# Altium PCB Fri3d_2020_Time_Blaster_01.PcbDoc (part 1 of 2)
Units mm, origin at the board's own origin, x right, y up, seen from the top; angles counter-clockwise.
Board outline 161.79 x 127.06 mm, 2 copper layers (Top Layer, Bottom Layer), stack 1.571 mm thick; 73 components, 58 nets, 276 pads, 26 vias.
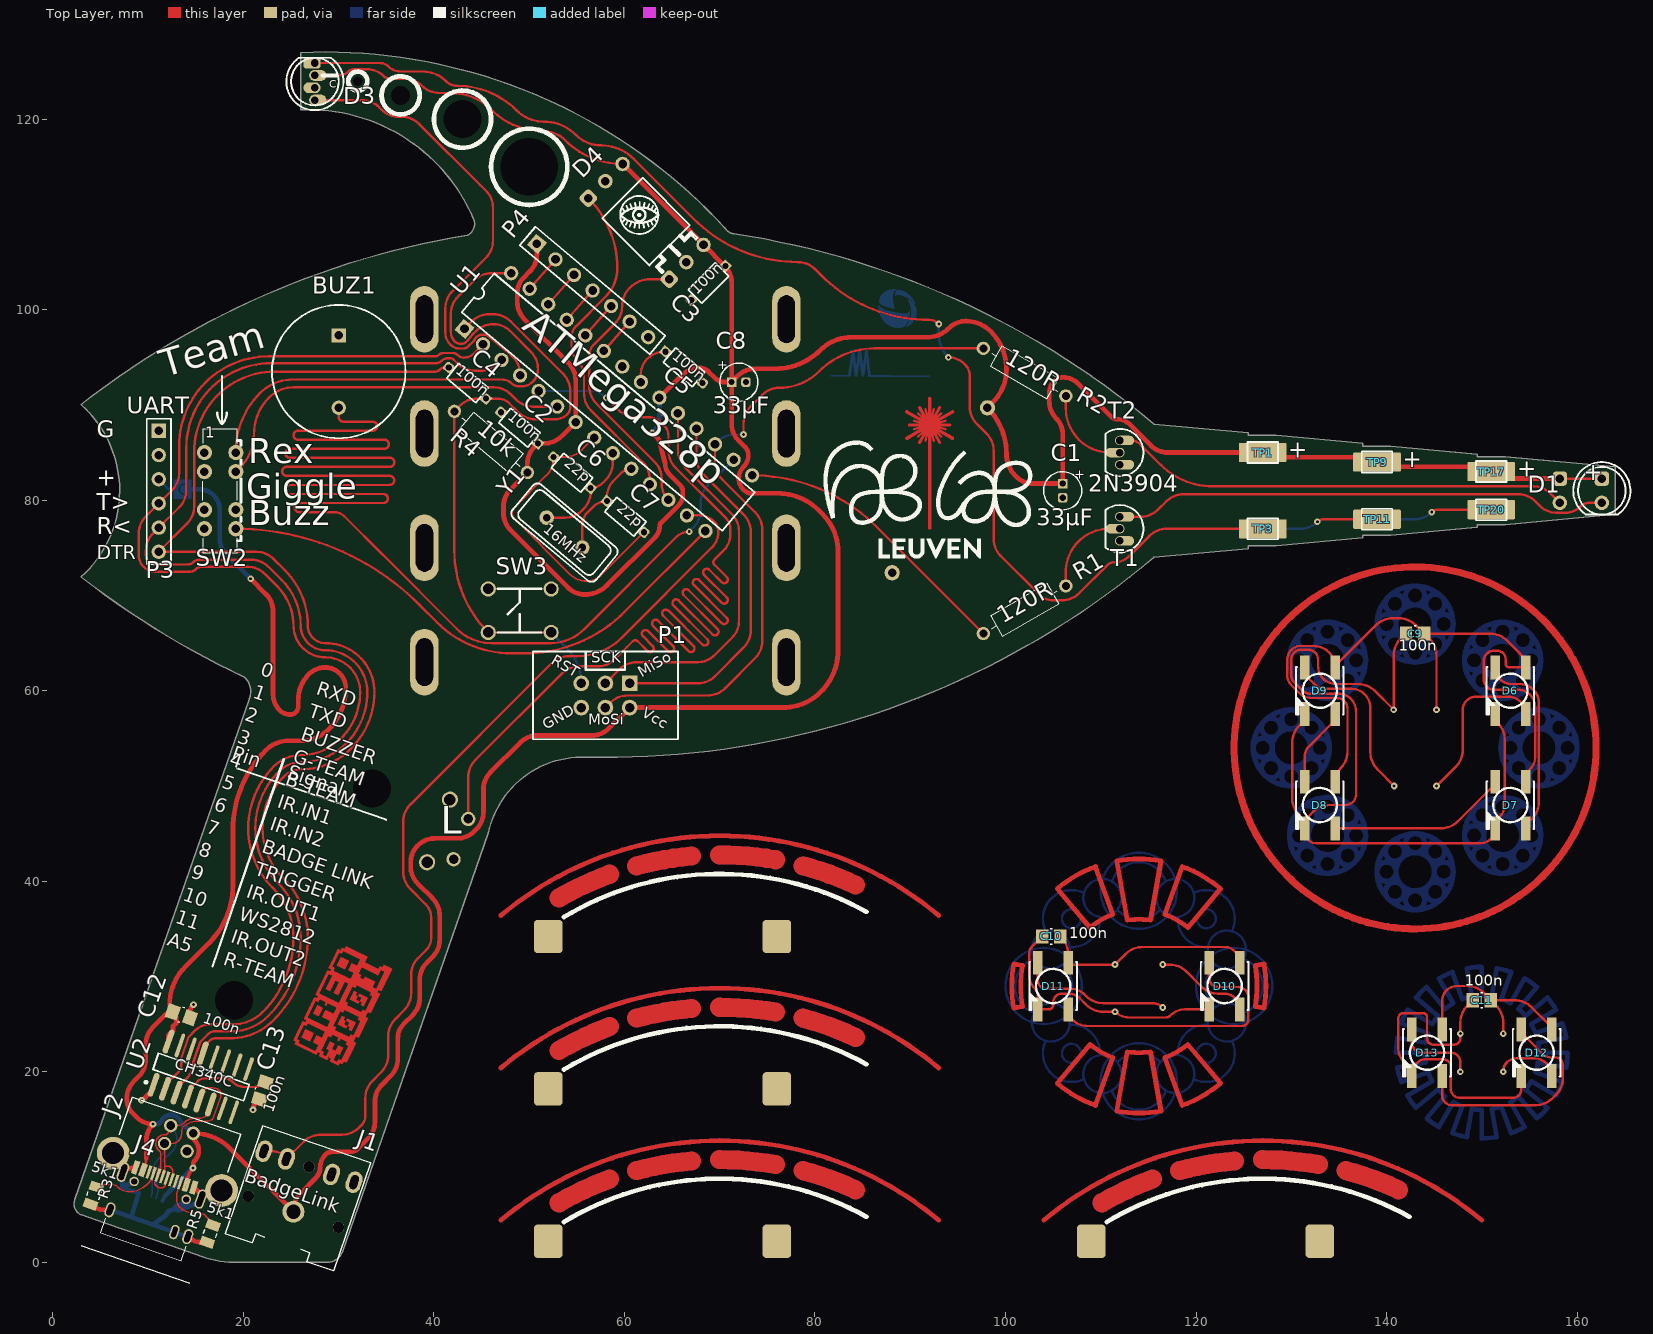
[diagram p0: Top Layer view]
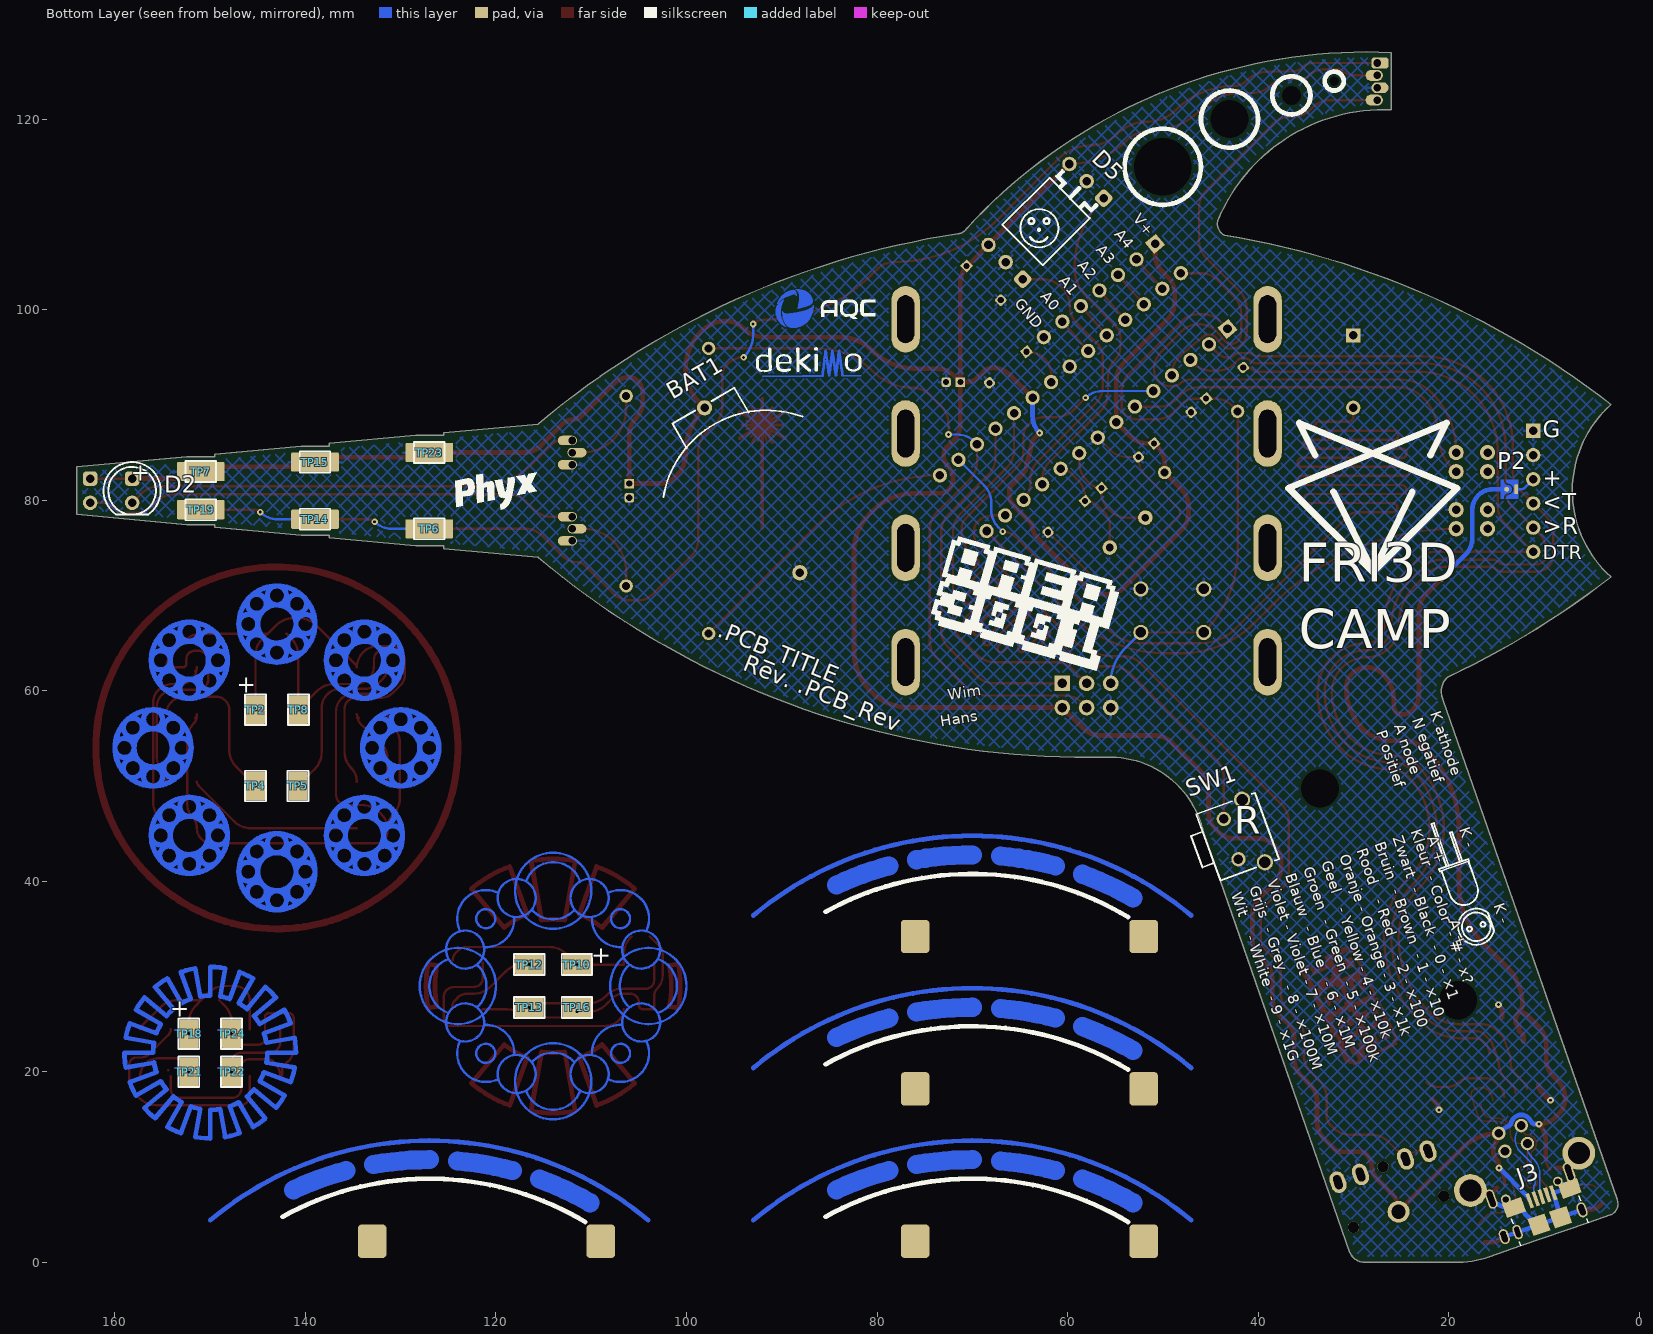
[diagram p1: Bottom Layer view, seen from below]

## Layer stack, top to bottom
Top Solder: solder mask 0.0102, Solder Resist, Dk 3.5
Top Layer: signal copper 0.0356
Dielectric1: core 1.5, FR-4, Dk 4.8
Bottom Layer: signal copper 0.0356
Bottom Solder: solder mask 0.0102, Solder Resist, Dk 3.5

## Board outline
12.432,1.718 15.698,0.594 ccw(c19.025,9.502) 19.4,0 29,0 ccw(c28.756,1.739) 30.348,1 45.7,45.052 cw(c55.575,42.931) 56.001,53.022 ccw(c58,142.446) 115.534,73.959 115.574,74.007 125.5,74.928 125.5,75.2 128.433,75.2 137.5,76.041 137.5,76.313 140.433,76.313 149.5,77.155 149.5,77.427 152.433,77.427 164,78.5 164,83.5 152.433,84.573 149.5,84.573 149.5,84.845 140.433,85.687 137.5,85.687 137.5,85.959 128.433,86.8 125.5,86.8 125.5,87.072 115.574,87.993 115.534,88.041 ccw(c58,19.554) 71.496,107.976 cw(c71.618,109.205) 70.566,108.558 ccw(c28.469,69.899) 26,127 26,121 cw(c26.772,102.118) 44.142,109.561 cw(c42.957,109.004) 43.513,107.819 ccw(c58,19.554) 2.955,90.057 3,90 cw(c-5.125,81) 2.947,71.952 2.955,71.943 ccw(c58,142.446) 20.122,61.416 cw(c18.659,59.911) 20.6,59.113 2.3,6.6 ccw(c3.46,6.13) 2.99,4.97 5.364,4.152

## Design rules (kind name [scope] priority, off if disabled: settings)
BoardOutlineClearance [NOT OnLayer('Top Overlay') AND NOT OnLayer('Bottom Overlay') AND NOT IsText AND NOT WithinRoom('Fri3d_2020_Time_Blaster_01')] p1: gap=0.5 ignorepadtopadclearanceinfootprint=FALSE except(0: Arc-SplitContinuation Track-SplitContinuation SMDPad-SplitContinuation THPad-SplitContinuation Via-SplitContinuation Fill-SplitContinuation Poly-SplitContinuation Region-SplitContinuation Text-SplitContinuation; 0.25: THPad-OutlineEdge; 0.3: SMDPad-OutlineEdge)
Clearance [All] p1: gap=0.15 ignorepadtopadclearanceinfootprint=FALSE except(0: Arc-Hole Track-Hole SMDPad-Hole THPad-Hole Via-Hole Fill-Hole Poly-Hole Region-Hole Text-Hole; 0.25: Arc-Poly Track-Poly SMDPad-Poly THPad-Poly Via-Poly Fill-Poly; 1.1: Poly-Poly)
ComponentClearance ComponentClearance_TP [HasFootprint('TP_2x3mm')] p1: gap=0 collisioncheckmode=3 verticalgap=0 showdistances=FALSE
ComponentClearance [All] p2: gap=0.25 collisioncheckmode=3 verticalgap=0.25 showdistances=FALSE
HoleSize [All] p1: absolutevalues=TRUE maxlimit=10 minlimit=0.025 maxpercent=80.000 minpercent=20.000
PolygonConnect PolygonConnect_VIA [IsVia] p1: connectstyle=Direct reliefconductorwidth=0.254 reliefentries=4 polygonreliefangle="90 Angle" airgapwidth=0.254
PolygonConnect [All] p2: connectstyle=Relief reliefconductorwidth=0.254 reliefentries=4 polygonreliefangle="90 Angle" airgapwidth=0.254
RoomDefinition Fri3d_2020_Time_Blaster_01 [InComponentClass('Fri3d_2020_Time_Blaster_01')] p1 off: confinementstyle=ConfineIn formatcopy=TRUE lockcomponents=FALSE outline 164,0 42.14,0 42.14,33 43.594,33 43.594,38 47.095,38 47.095,46.537 121.4,46.537 121.4,73 136,73 136,75.09 164,75.09
RoutingVias [All] p1: holewidth=0.3 width=0.7 viastyle="Through Hole" minholewidth=0.3 minwidth=0.2 maxholewidth=0.6 maxwidth=1.2
SilkToSolderMaskClearance SilkscreenOverComponentPads [IsPad] p1: minsilkscreentomaskgap=0.254 clearancetoexposedcopper=TRUE
SolderMaskExpansion [All] p1: expansion=0.05 istentingtop=FALSE
Width [All] p1: maxlimit=5 minlimit=0.15 preferedwidth=0.25
27 further rules are at their usual default settings.

## Classes and differential pairs
net class POWER: G_B G_M G_S GND V_B V_M V_S VCC

## Components (designator, comment, footprint, x,y, rotation, side; value= is the part's Value field where it differs from the comment)
BAT1 "CR2032 Battery Holder" BAT_CR2032_China 94.6,83.638 r60 bottom value=CR2032
BUZ1 "14x14x7mm Piezo Buzzer Transducer 80dB" CUI_CEP-1162 30,93.5 r270 top value=CMT-1203-SMT
C1 "CAP_POL" C_4x7_1.5mm 106,81 r270 top locked value="33uF 16V"
C2 "CAP_CERAMIC" C_5.08mm 48.968,87.6 r140 top value="100nF 50V"
C3 "CAP_CERAMIC" C_5.08mm 68.8,102.8 r225 top value="100nF 50V"
C4 "CAP_CERAMIC" C_5.08mm 43.5,92.3 r140 top value="100nF 50V"
C5 "CAP_CERAMIC" C_5.08mm 66.246,93.95 r320 top value="100nF 50V"
C6 "CAP_CERAMIC" C_5.08mm 54.5,82.9 r140 top value="22pF 50V"
C7 "CAP_CERAMIC" C_5.08mm 60.1,78.27 r320 top value="22pF 50V"
C8 "CAP_POL" C_4x7_1.5mm 72,92.402 r0 top value="33uF 16V"
C9 "CAP_CERAMIC" C0805_N 143,66 r180 top value="100nF 16V"
C10 "CAP_CERAMIC" C0805_N 104.8,34.2 r180 top value="100nF 16V"
C11 "CAP_CERAMIC" C0805_N 150,27.5 r180 top value="100nF 16V"
C12 "CAP_CERAMIC" C0805_N 13.477,25.968 r341 top value="100nF 16V"
C13 "CAP_CERAMIC" C0805_N 22,18 r251 top value="100nF 16V"
D1 "5mm IR LED, 940nm, 100mA, 1.35V, 25Deg" LED_5MM_RD 162.6,81 r270 top value=TSAL6400
D2 "5mm IR LED, 940nm, 100mA, 1.35V, 25Deg" LED_5MM_RD 158.2,81 r270 bottom value=TSAL6400
D3 "WS2812 based digital RGB LED 5mm" LED_5mm_RGB 27.5,123.95 r90 top value=WS2812D-F5
D4 "IRM-3638N3F14 Infrared Receiver 38 kHz 45° 2.7-5.5V" VIS_TSOP381X_BENT 66.5,105 r45 top value=IRM-3638N3F14
D5 "IRM-3638N3F14 Infrared Receiver 38 kHz 45° 2.7-5.5V" VIS_TSOP381X_BENT 58,113.5 r45 bottom value=IRM-3638N3F14
D6 "WS2812 based digital RGB LED 5050 Black package" LED_5050_WS2812B_BLACK 153,60 r270 top value="WS218B 5050 BL"
D7 "WS2812 based digital RGB LED 5050 Black package" LED_5050_WS2812B_BLACK 153,48 r270 top value="WS218B 5050 BL"
D8 "WS2812 based digital RGB LED 5050 Black package" LED_5050_WS2812B_BLACK 133,48 r270 top value="WS218B 5050 BL"
D9 "WS2812 based digital RGB LED 5050 Black package" LED_5050_WS2812B_BLACK 133,60 r270 top value="WS218B 5050 BL"
D10 "WS2812 based digital RGB LED 5050 Black package" LED_5050_WS2812B_BLACK 123,29 r270 top value="WS218B 5050 BL"
D11 "WS2812 based digital RGB LED 5050 Black package" LED_5050_WS2812B_BLACK 105,29 r270 top value="WS218B 5050 BL"
D12 "WS2812 based digital RGB LED 5050 Black package" LED_5050_WS2812B_BLACK 155.75,22 r270 top value="WS218B 5050 BL"
D13 "WS2812 based digital RGB LED 5050 Black package" LED_5050_WS2812B_BLACK 144.25,22 r270 top value="WS218B 5050 BL"
J1 "3.5mm jack, dual switch, black, 3 contacts" CUI_SJ1-3525NG 26.878,10.028 r71 top locked value=SJ1-3525NG
J2 "Vertical USB B 61400416121" WE_61400416121 11.353,7.573 r341 top locked value=61400416121
J3 "XKB U254-051T-4BH81-S2S Micro USB" XKB_U254-051T-4BH81-S2S 10.237,6.863 r161 bottom value=U254-051T-4BH81-S2S
J4 "USB 2.0 C Reversible Receptacle Horizontal" HRO_TYPE-C-31-M-12 10.9,6.5 r341 top value=TYPE-C-31-M-12
P1 "Boxed Header 3X2" B_HDR2X3 58,59.5 r180 top
P2 "Easy to solder connection" SOLDER_SW_V_1MM 13.9,81.15 r90 bottom value="NO BOM"
P3 "Header 6" HDR1X6 11.113,87.28 r270 top
P4 "Header 7" HDR1X7 50.811,106.913 r320 top
R1 "RESISTOR" RES_10mm 102,68.5 r210 top value=120R
R2 "RESISTOR" RES_10mm 102,93.437 r150 top value=120R
R3 "RESISTOR" R0805_N 4.25,7 r251 top value=5K1
R4 "RESISTOR" RES_10mm 45.97,86.114 r140 top value=10k
R5 "RESISTOR" R0805_N 16.5,3 r251 top value=5K1
SW1 "Tact switch, RA, 3,85mm" TACTSW_RA_385 41.65,44.85 r250 bottom value=431256038716
SW2 "Slide switch dual pole triple throw" CK_JS203011CQN 15.9,85 r270 top locked value=JS203011CQN
SW3 "Default TH TACT" TACTSW 49,68.4 r90 top
T1 "0.2A 40V 100hfe NPN Transistor" "TO-92A _EASY" 112,77 r180 top locked value=2N3904
T2 "0.2A 40V 100hfe NPN Transistor" "TO-92A _EASY" 112,85 r180 top locked value=2N3904
TP1 "TEST_PAD" TP_2x3mm#1 127,85 r0 top value="NO BOM"
TP2 "TEST_PAD" TP_2x3mm#2 145.25,58 r90 bottom value="NO BOM"
TP3 "TEST_PAD" TP_2x3mm#1 127,77 r0 top value="NO BOM"
TP4 "TEST_PAD" TP_2x3mm#2 145.25,50 r90 bottom value="NO BOM"
TP5 "TEST_PAD" TP_2x3mm#2 140.801,50 r90 bottom value="NO BOM"
TP6 "TEST_PAD" TP_2x3mm#1 127,77 r180 bottom value="NO BOM"
TP7 "TEST_PAD" TP_2x3mm#1 151,83 r180 bottom value="NO BOM"
TP8 "TEST_PAD" TP_2x3mm#2 140.75,58 r90 bottom value="NO BOM"
TP9 "TEST_PAD" TP_2x3mm#1 139,84 r0 top value="NO BOM"
TP10 "TEST_PAD" TP_2x3mm#2 111.5,31.25 r180 bottom value="NO BOM"
TP11 "TEST_PAD" TP_2x3mm#1 139,78 r180 top value="NO BOM"
TP12 "TEST_PAD" TP_2x3mm#2 116.5,31.25 r180 bottom value="NO BOM"
TP13 "TEST_PAD" TP_2x3mm#2 116.5,26.75 r180 bottom value="NO BOM"
TP14 "TEST_PAD" TP_2x3mm#1 139,78 r180 bottom value="NO BOM"
TP15 "TEST_PAD" TP_2x3mm#1 139,84 r180 bottom value="NO BOM"
TP16 "TEST_PAD" TP_2x3mm#2 111.5,26.75 r180 bottom value="NO BOM"
TP17 "TEST_PAD" TP_2x3mm#1 151,83 r180 top value="NO BOM"
TP18 "TEST_PAD" TP_2x3mm#2 152.25,24 r90 bottom value="NO BOM"
TP19 "TEST_PAD" TP_2x3mm#1 151,79 r0 bottom value="NO BOM"
TP20 "TEST_PAD" TP_2x3mm#1 151,79 r180 top value="NO BOM"
TP21 "TEST_PAD" TP_2x3mm#2 152.25,20 r90 bottom value="NO BOM"
TP22 "TEST_PAD" TP_2x3mm#2 147.75,20 r90 bottom value="NO BOM"
TP23 "TEST_PAD" TP_2x3mm#1 127,85 r180 bottom value="NO BOM"
TP24 "TEST_PAD" TP_2x3mm#2 147.75,24 r90 bottom value="NO BOM"
U1 "8-bit MCU" DIP_N_28 58.3,90.3 r320 top value="ATMega 328p"
U2 "USB to full UART with internal crystal" SOIC_N_16 15.55,19.454 r71 top value=CH340C
Y1 "16MHz 18pF HC49US" HC49US 53.7,76.6 r140 top value=16MHz

## Footprints (in the part's own frame and the unit in brackets; to place one, negate y for a bottom-side part, rotate by r counter-clockwise, add the part's x,y. Pads: shape width x height; smd on the part's side, far side on the other; paste and mask are expansions set on the pad)
B_HDR2X3 [mm] "Boxed Header 2x3 pins"
  rect 1.65x1.65 hole 1: 1(-2.54,-1.27)
  round 1.65 hole 1: 2(-2.54,1.27) 3(0,-1.27) 4(0,1.27) 5(2.54,-1.27) 6(2.54,1.27)
  silkscreen extent -7.62,-4.6 7.62,4.6, body extent -7.43,-4.6 7.4,4.67, height 9.39
BAT_CR2032_China [mm]
  round 1.6 hole 0.9: 1(7,0) 2(-13,0)
  silkscreen extent 1.07,-8.43 7.25,8.43, body extent -17,-11 7.25,11, height 9.2
C0805_N [mm] "Low density"
  rect 1.3x1.5 smd: 1(-0.95,0) 2(0.95,0)
  silkscreen extent -0.1,-0.8 0.1,0.8, body extent -1,-0.62 1,0.63, height 0.78
C_4x7_1.5mm [mm] "Capacitor, Electrolytic, Radial; Body 4 x 7mm; 1.5mm pitch"
  rect 1x1 hole 0.65: 1(-0.75,0)
  rrect50% 1x1 hole 0.65: 2(0.75,0)
  silkscreen extent -2,-2 2,2, body extent -2,-2 2,2, height 7.1
C_5.08mm [mm] "Ceramic Cap 5.08mm pitch"
  rect 1x1 hole 0.65: 1(-2.54,0)
  rrect50% 1x1 hole 0.65: 2(2.54,0)
  silkscreen extent -2,-1 2,1, body extent -2.79,-1.1 2.79,1.11, height 6.2
CK_JS203011CQN [mm] "C&K JS series slide switches"
  round 1.6 hole 0.9: 1(0,0) 2(2,0) 3(6,0) 4(8,0) 5(0,3.3) 6(2,3.3) 7(6,3.3) 8(8,3.3)
  silkscreen extent -2.5,-0.15 10.5,3.45, body extent -2.5,0 10.5,3.6, height 5.22
CUI_CEP-1162 [mm] "14x14x7mm piezo buzzer 7.6mm pitch"
  rect 1.5x1.5 hole 0.9: 1(-3.8,0)
  round 1.5 hole 0.9: 2(3.8,0)
  silkscreen extent -7,-7 7,7, body extent -7,-7 7,7, height 7.1
CUI_SJ1-3525NG [mm] "CUI SJ1-3525NG Audio Jack 3.5mm"
  round 1.2 hole 1.2 unplated: 0(-5,5) 0(-5,-5) 0(0,0)
  round 2.3 hole 1.5: 1(-5,0)
  oval 2.3x1.6 hole 0.8 slot 1.5 at 0 deg: 2(0,-5) 3(0,5) 4(0,-2.5) 5(0,2.5)
  silkscreen extent -9.5,-6 2.5,6, body extent -11.55,-6 2.5,6, height 5.54
DIP_N_28 [mm] "300mil body width"
  rect 1.5x1.5 hole 0.9: 1(-16.51,-3.81)
  round 1.5 hole 0.9: 2(-13.97,-3.81) 3(-11.43,-3.81) 4(-8.89,-3.81) 5(-6.35,-3.81) 6(-3.81,-3.81) 7(-1.27,-3.81) 8(1.27,-3.81) 9(3.81,-3.81) 10(6.35,-3.81) 11(8.89,-3.81) 12(11.43,-3.81) 13(13.97,-3.81) 14(16.51,-3.81) 15(16.51,3.81) 16(13.97,3.81) 17(11.43,3.81) 18(8.89,3.81) 19(6.35,3.81) 20(3.81,3.81) 21(1.27,3.81) 22(-1.27,3.81) 23(-3.81,3.81) 24(-6.35,3.81) 25(-8.89,3.81) 26(-11.43,3.81) 27(-13.97,3.81) 28(-16.51,3.81)
  silkscreen extent -17.85,-2.65 17.85,2.65, body extent -17.97,-3.97 17.97,3.9, height 4.65
HC49US [mm]
  round 1.524 hole 0.8: 1(2.44,0) 2(-2.44,0)
  silkscreen extent -5.71,-2.29 5.71,2.29, body extent -5.39,-2.3 5.59,2.19, height 3.6
HDR1X6 [mm] "Connector; Header; 6 Position"
  rect 1.5x1.5 hole 0.9: 1(0,0)
  round 1.5 hole 0.9: 2(2.54,0) 3(5.08,0) 4(7.62,0) 5(10.16,0) 6(12.7,0)
  silkscreen extent -1.27,-1.27 13.97,1.27, body extent -1.27,-1.23 13.97,1.27, height 8.2
HDR1X7 [mm] "Connector; Header; 7 Position"
  rect 1.5x1.5 hole 0.9: 1(0,0)
  round 1.5 hole 0.9: 2(2.54,0) 3(5.08,0) 4(7.62,0) 5(10.16,0) 6(12.7,0) 7(15.24,0)
  silkscreen extent -1.27,-1.27 16.51,1.27, body extent -1.27,-1.14 16.51,1.14, height 8.13
HRO_TYPE-C-31-M-12 [mm] "USB C Connector"
  round 1 hole 0.65: 0(-2.89,1.102) 0(2.89,1.102)
  rect 0.3x1.45 smd: A1(-3.375,2.548) A4(-2.55,2.548) A5(-1.25,2.547) A6(-0.25,2.548) A7(0.25,2.548) A8(1.25,2.548) A9(2.55,2.548) A12(3.375,2.548) B1(3.075,2.548) B4(2.25,2.548) B5(1.75,2.548) B6(0.75,2.548) B7(-0.75,2.548) B8(-1.75,2.547) B9(-2.25,2.548) B12(-3.075,2.547)
  oval 1x2.1 hole 0.6 slot 1.7 at 90 deg: MH1(-4.32,1.632) MH4(4.32,1.632)
  oval 1x1.6 hole 0.6 slot 1.2 at 90 deg: MH2(-4.32,-2.548) MH3(4.32,-2.548)
  silkscreen extent -4.47,-5.15 4.47,-3.54, body extent -4.5,-5.15 4.44,2.75, height 3.26
LED_5MM_RD [mil] "5mm LED RED"
  rrect50% 60x60 hole 35.43: 1(-50,0)
  round 60 hole 35.43: 2(50,0)
  silkscreen extent -118,-118 98,118, body extent -117,-98 96,485, height 118
LED_5mm_RGB [mm] "5mm LED RGB"
  rrect50% 1.15x1.8 hole 0.8 copper offset 0,0.3: 1(1.95,0)
  oval 1.15x1.8 hole 0.8 copper offset 0,-0.3: 2(0.65,0) 4(-1.95,0)
  oval 1.15x1.8 hole 0.8 copper offset 0,0.3: 3(-0.65,0)
  silkscreen extent -3,-3 2.5,3, body extent -2.85,-1.4 2.55,11.3, height 3.4
LED_5050_WS2812B_BLACK [mm] "5050 RGB LED WS2812B BLACK"
  rect 2.5x1 smd: 1(-2.45,1.6) 2(-2.45,-1.6) 3(2.45,-1.6) 4(2.45,1.6)
  silkscreen extent -2.5,-2.5 2.5,2.5, body extent -2.7,-2.5 2.7,2.5, height 1.6
R0805_N [mm]
  rect 1x1.45 smd: 1(-0.95,0) 2(0.95,0)
  silkscreen extent -0.25,-0.75 0.25,0.75, body extent -1,-0.62 1,0.63, height 0.78
RES_10mm [mm] "TH 10mm pitch resistor"
  round 1.4 hole 0.85: 1(-5,0) 2(5,0)
  silkscreen extent -3.96,-1.25 3.96,1.25, body extent -5.31,-1.3 5.19,1.3, height 2.67
SOIC_N_16 [mm] "150 mil body width"
  oval 2.6x0.6 smd: 1(-2.4,4.445) 2(-2.4,3.175) 3(-2.4,1.905) 4(-2.4,0.635) 5(-2.4,-0.635) 6(-2.4,-1.905) 13(2.4,0.635) 16(2.4,4.445)
  oval 2.6x0.4 smd: 7(-2.4,-3.175) 8(-2.4,-4.445) 9(2.4,-4.445) 10(2.4,-3.175) 11(2.4,-1.905) 12(2.4,-0.635) 14(2.4,1.905) 15(2.4,3.175)
  silkscreen extent -2.52,-5.04 0.9,5.42, body extent -3,-5 3,5, height 1.75
SOLDER_SW_V_1MM [mm] "1 mm Custom solder switch"
  round 0.5 smd mask+0.05: 1(0,0)
  rect 1x0.4 smd mask+0.05: 2(0,-1)
  Top Layer region: -1.01,0.275 -1.01,0.6 1,0.6 1,0.275 0.767,0.269 0.56,0.162 0.42,-0.025 0.42,-0.025 0.408,-0.239 0.294,-0.42 0.107,-0.524 -0.107,-0.524 -0.294,-0.42 -0.408,-0.239 -0.42,-0.025 -0.42,-0.025 -0.563,0.163 -0.773,0.271 -1.01,0.275
  Top Layer region: -1,-1.2 -1,-0.7 -1,0.074 -0.831,0.043 -0.69,-0.054 -0.6,-0.2 -0.6,-0.2 -0.497,-0.47 -0.28,-0.661 0,-0.73 0.28,-0.661 0.497,-0.47 0.6,-0.2 0.6,-0.2 0.69,-0.054 0.832,0.043 1,0.074 1,0.074 1,-0.7 1,-1.2
TACTSW [mm]
  round 1.6 hole 1.1: 1(-2.286,3.302) 1(-2.286,-3.302) 2(2.286,3.302) 2(2.286,-3.302)
  silkscreen extent -2.29,-2.29 2.29,2.29, body extent -3.1,-3.95 3.1,3.95, height 4.31
TACTSW_RA_385 [mm] "DEFAULT RA TACT SWITCH 3.85mm"
  round 1.5 hole 1: 1(-2.25,-1.25) 2(2.25,-1.25)
  round 1.7 hole 1.2: MH1(-3.5,1.25) MH2(3.5,1.25)
  silkscreen extent -3.7,-5.1 3.7,2.75, body extent -4.2,-5.1 4.2,2.75, height 7.21
"TO-92A _EASY" [mm] "TO, Flat Index; 3 In-Line, Axial Leads; Body Dia. 4.5mm; Leads 0.51 x 0.48 mm (max)"
  oval 2x1 hole 0.8 copper offset -0.5,0: 1(0,-1.27) 3(0,1.27)
  oval 2x1 hole 0.8 copper offset 0.5,0: 2(0,0)
  silkscreen extent -2.48,-2.48 1.5,2.48, body extent -2.61,-2.61 1.59,2.61, height 10
TP_2x3mm#1 [mm] "2 x 3 mm pad"
  rrect10% 5x2 smd mask+0.03: 1(0,0)
  silkscreen extent -1.6,-1.1 1.6,1.1
TP_2x3mm#2 [mm] "2 x 3 mm pad"
  rrect10% 3x2 smd mask+0.03: 1(0,0)
  silkscreen extent -1.6,-1.1 1.6,1.1
VIS_TSOP381X_BENT [mil] "Vischay IR Receiver bent"
  rrect50% 60x60 hole 35.43: 1(-100,0)
  round 60 hole 35.43: 2(0,0) 3(100,0)
  silkscreen extent -118,39 118,374, body extent -122,-51 122,374, height 244
WE_61400416121 [mm] "USB 2.0 Type B Horizontal"
  round 1.42 hole 0.92: 1(1.25,6.74) 2(-1.25,6.74) 3(-1.25,4.74) 4(1.25,4.74)
  round 3.45 hole 2.3: MH1(-6.02,2.03) MH2(6.02,2.03)
  silkscreen extent -6.02,-8.25 6.02,8.25, body extent -7.48,-8.25 7.48,8.25, height 11.15
XKB_U254-051T-4BH81-S2S [mm]
  rect 0.4x1.6 smd: 1(-1.3,0) 2(-0.65,0) 3(0,0) 4(0.65,0) 5(1.3,0)
  oval 0.9x1.55 hole 0.5 slot 1.15 at 90 deg: MH1(-3.575,-2.675) MH2(3.575,-2.675)
  rect 2.1x1.6 smd: MH3(-3.1,-0.125) MH4(3.1,-0.125)
  rect 1.9x1.9 smd: MH3(-1.2,-2.675) MH4(1.2,-2.675)
  silkscreen extent -3.75,-4.15 3.75,-1.15, body extent -4.03,-5.4 4.02,0.18, height 2.77
